# Altium PCB PCB_v1_premove.PcbDoc (part 4 of 4)
Units mil, origin at the board's own origin, x right, y up, seen from the top; angles counter-clockwise.
Board outline 27400 x 10355 mil, 4 copper layers (Component Side, Ground Plane, Power Plane, Solder Side), stack 33.234 mil thick; 525 components, 575 nets, 2564 pads, 188 vias.
Unrouted connection lines stored in the file: 1433.
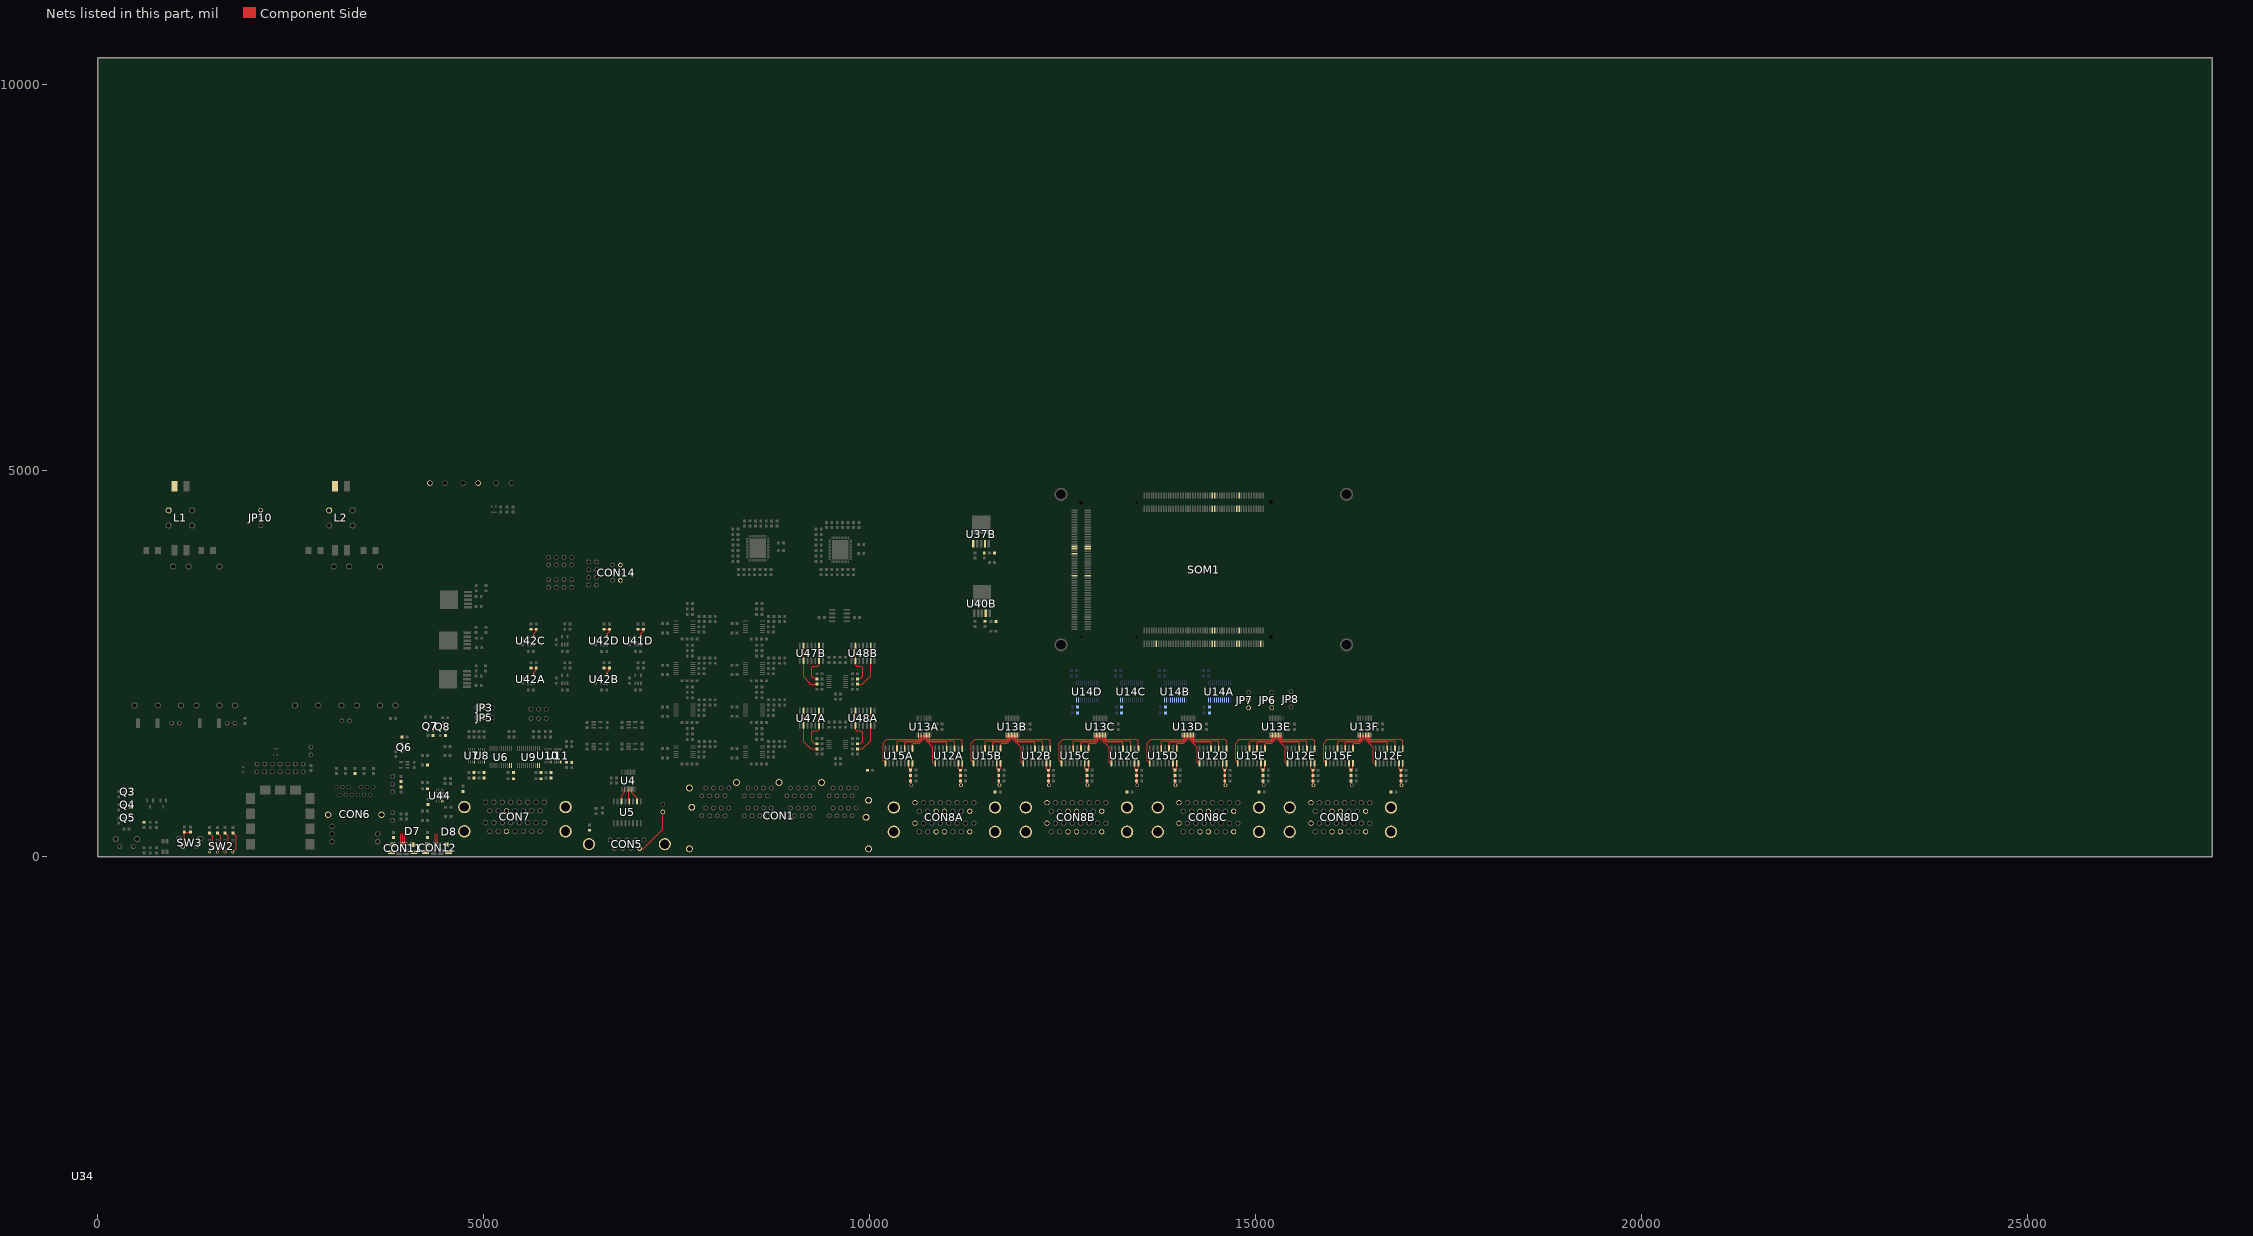
[diagram p6: the nets of this part, all layers, seen from the top]

## Via types
v1: diameter 50, hole 28, Component Side to Solder Side, 184 vias
v2: diameter 25.98, hole 12.99, Component Side to Solder Side, tented top, 4 vias

## Nets (pads, with @x,y where several pads share a name; then routed paths per layer and width w, separated by ;. In a path a pad name is that pad's centre, name@x,y a point inside that pad or via, vN(x,y) a via of type N, cw(c..) or ccw(c..) an arc to the next point about the centre after c; other vN are vias at no path point) (continued)
NetR38D_1: R38D.1 R39D.2 U41D.4 | length 178.5
  Component Side w10: R38D.1@7000,2946.54 R39D.2@7070,2946.54 7070,2920 7037.4,2887.4 U41D.4@7037.4,2851.57
NetR40A_1: R40A.1 R41A.2 U42A.4 | length 178.5
  Component Side w10: R41A.2@5610,2446.54 R40A.1@5680,2446.54 5680,2420 5647.4,2387.4 U42A.4@5647.4,2351.57
NetR40B_1: R40B.1 R41B.2 U42B.4 | length 178.5
  Component Side w10: R41B.2@6560,2446.54 R40B.1@6630,2446.54 6630,2420 6597.4,2387.4 U42B.4@6597.4,2351.57
NetR40C_1: R40C.1 R41C.2 U42C.4 | length 178.5
  Component Side w10: R41C.2@5610,2946.54 R40C.1@5680,2946.54 5680,2920 5647.4,2887.4 U42C.4@5647.4,2851.57
NetR40D_1: R40D.1 R41D.2 U42D.4 | length 178.5
  Component Side w10: R41D.2@6560,2946.54 R40D.1@6630,2946.54 6630,2920 6597.4,2887.4 U42D.4@6597.4,2851.57
NetR52_1: R52.1 U44.8
NetR54_2: R54.2 U44.19
NetR55_2: R55.2 U44.20
NetU12A_1: U12A.1 U13A.19 | length 583
  Component Side w10: U13A.19@10773.9,1575.75 10773.9,1533.08 10786.98,1520 11180,1520 11200,1500 U12A.1@11200,1399.49
NetU12A_3: U12A.3 U13A.18 | length 498
  Component Side w10: U13A.18@10754.21,1575.75 10754.21,1530.14 10780.35,1504 11085,1504 11100,1489 U12A.3@11100,1399.49
NetU12A_5: U12A.5 U13A.17 | length 410
  Component Side w10: U13A.17@10734.53,1575.75 10734.53,1527.19 10773.72,1488 10985,1488 11000,1473 U12A.5@11000,1399.49
NetU12A_9: U12A.9 U13A.16 | length 433.2
  Component Side w10: U13A.16@10714.84,1575.75 10714.84,1524.25 10820,1419.09 10820,1220 10829.49,1210.51 U12A.9@10850,1210.51
NetU12B_1: U12B.1 U13B.19 | length 583
  Component Side w10: U13B.19@11915.43,1575.75 11915.43,1533.08 11928.51,1520 12321.54,1520 12341.54,1500 U12B.1@12341.54,1399.49
NetU12B_3: U12B.3 U13B.18 | length 498
  Component Side w10: U13B.18@11895.75,1575.75 11895.75,1530.14 11921.88,1504 12226.54,1504 12241.54,1489 U12B.3@12241.54,1399.49
NetU12B_5: U12B.5 U13B.17 | length 410
  Component Side w10: U13B.17@11876.06,1575.75 11876.06,1527.19 11915.26,1488 12126.54,1488 12141.54,1473 U12B.5@12141.54,1399.49
NetU12B_9: U12B.9 U13B.16 | length 433.2
  Component Side w10: U13B.16@11856.38,1575.75 11856.38,1524.25 11961.54,1419.09 11961.54,1220 11971.02,1210.51 U12B.9@11991.54,1210.51
NetU12C_1: U12C.1 U13C.19 | length 583
  Component Side w10: U13C.19@13056.97,1575.75 13056.97,1533.08 13070.05,1520 13463.07,1520 13483.07,1500 U12C.1@13483.07,1399.49
NetU12C_3: U12C.3 U13C.18 | length 498
  Component Side w10: U13C.18@13037.28,1575.75 13037.28,1530.14 13063.42,1504 13368.07,1504 13383.07,1489 U12C.3@13383.07,1399.49
NetU12C_5: U12C.5 U13C.17 | length 410
  Component Side w10: U13C.17@13017.6,1575.75 13017.6,1527.19 13056.79,1488 13268.07,1488 13283.07,1473 U12C.5@13283.07,1399.49
NetU12C_9: U12C.9 U13C.16 | length 433.2
  Component Side w10: U13C.16@12997.91,1575.75 12997.91,1524.25 13103.07,1419.09 13103.07,1220 13112.56,1210.51 U12C.9@13133.07,1210.51
NetU12D_1: U12D.1 U13D.19 | length 583
  Component Side w10: U13D.19@14198.5,1575.75 14198.5,1533.08 14211.58,1520 14604.61,1520 14624.61,1500 U12D.1@14624.61,1399.49
NetU12D_3: U12D.3 U13D.18 | length 498
  Component Side w10: U13D.18@14178.82,1575.75 14178.82,1530.14 14204.96,1504 14509.61,1504 14524.61,1489 U12D.3@14524.61,1399.49
NetU12D_5: U12D.5 U13D.17 | length 410
  Component Side w10: U13D.17@14159.13,1575.75 14159.13,1527.19 14198.33,1488 14409.61,1488 14424.61,1473 U12D.5@14424.61,1399.49
NetU12D_9: U12D.9 U13D.16 | length 433.2
  Component Side w10: U13D.16@14139.45,1575.75 14139.45,1524.25 14244.61,1419.09 14244.61,1220 14254.09,1210.51 U12D.9@14274.61,1210.51
NetU12E_1: U12E.1 U13E.19 | length 583
  Component Side w10: U13E.19@15340.04,1575.75 15340.04,1533.08 15353.12,1520 15746.14,1520 15766.14,1500 U12E.1@15766.14,1399.49
NetU12E_3: U12E.3 U13E.18 | length 498
  Component Side w10: U13E.18@15320.35,1575.75 15320.35,1530.14 15346.49,1504 15651.14,1504 15666.14,1489 U12E.3@15666.14,1399.49
NetU12E_5: U12E.5 U13E.17 | length 410
  Component Side w10: U13E.17@15300.67,1575.75 15300.67,1527.19 15339.86,1488 15551.14,1488 15566.14,1473 U12E.5@15566.14,1399.49
NetU12E_9: U12E.9 U13E.16 | length 433.2
  Component Side w10: U13E.16@15280.98,1575.75 15280.98,1524.25 15386.14,1419.09 15386.14,1220 15395.63,1210.51 U12E.9@15416.14,1210.51
NetU12F_1: U12F.1 U13F.19 | length 583
  Component Side w10: U13F.19@16481.57,1575.75 16481.57,1533.08 16494.65,1520 16887.68,1520 16907.68,1500 U12F.1@16907.68,1399.49
NetU12F_3: U12F.3 U13F.18 | length 498
  Component Side w10: U13F.18@16461.89,1575.75 16461.89,1530.14 16488.03,1504 16792.68,1504 16807.68,1489 U12F.3@16807.68,1399.49
NetU12F_5: U12F.5 U13F.17 | length 410
  Component Side w10: U13F.17@16442.2,1575.75 16442.2,1527.19 16481.4,1488 16692.68,1488 16707.68,1473 U12F.5@16707.68,1399.49
NetU12F_9: U12F.9 U13F.16 | length 433.2
  Component Side w10: U13F.16@16422.52,1575.75 16422.52,1524.25 16527.68,1419.09 16527.68,1220 16537.17,1210.51 U12F.9@16557.68,1210.51
NetU13A_12: U13A.12 U15A.9 | length 801.4
  Component Side w10: U15A.9@10205,1212.05 10175,1242.05 10175,1470 10225,1520 10625,1520 10636.1,1531.1 U13A.12@10636.1,1575.75
NetU13A_13: U13A.13 U15A.5 | length 452.6
  Component Side w10: U15A.5@10355,1401.02 10355,1489 10370,1504 10631.63,1504 10655.79,1528.16 U13A.13@10655.79,1575.75
NetU13A_14: U13A.14 U15A.3 | length 364.6
  Component Side w10: U15A.3@10455,1401.02 10455,1473 10470,1488 10638.25,1488 10675.47,1525.22 U13A.14@10675.47,1575.75
NetU13A_15: U13A.15 U15A.1 | length 276.6
  Component Side w10: U15A.1@10555,1401.02 10555,1457 10570,1472 10644.88,1472 10695.16,1522.28 U13A.15@10695.16,1575.75
NetU13B_12: U13B.12 U15B.9 | length 801.4
  Component Side w10: U15B.9@11346.54,1212.05 11316.54,1242.05 11316.54,1470 11366.54,1520 11766.54,1520 11777.64,1531.1 U13B.12@11777.64,1575.75
NetU13B_13: U13B.13 U15B.5 | length 452.6
  Component Side w10: U15B.5@11496.54,1401.02 11496.54,1489 11511.54,1504 11773.16,1504 11797.32,1528.16 U13B.13@11797.32,1575.75
NetU13B_14: U13B.14 U15B.3 | length 364.6
  Component Side w10: U15B.3@11596.54,1401.02 11596.54,1473 11611.54,1488 11779.79,1488 11817.01,1525.22 U13B.14@11817.01,1575.75
NetU13B_15: U13B.15 U15B.1 | length 276.6
  Component Side w10: U15B.1@11696.54,1401.02 11696.54,1457 11711.54,1472 11786.42,1472 11836.69,1522.28 U13B.15@11836.69,1575.75
NetU13C_12: U13C.12 U15C.9 | length 801.4
  Component Side w10: U15C.9@12488.07,1212.05 12458.07,1242.05 12458.07,1470 12508.07,1520 12908.07,1520 12919.17,1531.1 U13C.12@12919.17,1575.75
NetU13C_13: U13C.13 U15C.5 | length 452.6
  Component Side w10: U15C.5@12638.07,1401.02 12638.07,1489 12653.07,1504 12914.7,1504 12938.86,1528.16 U13C.13@12938.86,1575.75
NetU13C_14: U13C.14 U15C.3 | length 364.6
  Component Side w10: U15C.3@12738.07,1401.02 12738.07,1473 12753.07,1488 12921.33,1488 12958.54,1525.22 U13C.14@12958.54,1575.75
NetU13C_15: U13C.15 U15C.1 | length 276.6
  Component Side w10: U15C.1@12838.07,1401.02 12838.07,1457 12853.07,1472 12927.95,1472 12978.23,1522.28 U13C.15@12978.23,1575.75
NetU13D_12: U13D.12 U15D.9 | length 801.4
  Component Side w10: U15D.9@13629.61,1212.05 13599.61,1242.05 13599.61,1470 13649.61,1520 14049.61,1520 14060.71,1531.1 U13D.12@14060.71,1575.75
NetU13D_13: U13D.13 U15D.5 | length 452.6
  Component Side w10: U15D.5@13779.61,1401.02 13779.61,1489 13794.61,1504 14056.23,1504 14080.39,1528.16 U13D.13@14080.39,1575.75
NetU13D_14: U13D.14 U15D.3 | length 364.6
  Component Side w10: U15D.3@13879.61,1401.02 13879.61,1473 13894.61,1488 14062.86,1488 14100.08,1525.22 U13D.14@14100.08,1575.75
NetU13D_15: U13D.15 U15D.1 | length 276.6
  Component Side w10: U15D.1@13979.61,1401.02 13979.61,1457 13994.61,1472 14069.49,1472 14119.76,1522.28 U13D.15@14119.76,1575.75
NetU13E_12: U13E.12 U15E.9 | length 801.4
  Component Side w10: U15E.9@14771.14,1212.05 14741.14,1242.05 14741.14,1470 14791.14,1520 15191.14,1520 15202.24,1531.1 U13E.12@15202.24,1575.75
NetU13E_13: U13E.13 U15E.5 | length 452.6
  Component Side w10: U15E.5@14921.14,1401.02 14921.14,1489 14936.14,1504 15197.77,1504 15221.93,1528.16 U13E.13@15221.93,1575.75
NetU13E_14: U13E.14 U15E.3 | length 364.6
  Component Side w10: U15E.3@15021.14,1401.02 15021.14,1473 15036.14,1488 15204.4,1488 15241.61,1525.22 U13E.14@15241.61,1575.75
NetU13E_15: U13E.15 U15E.1 | length 276.6
  Component Side w10: U15E.1@15121.14,1401.02 15121.14,1457 15136.14,1472 15211.02,1472 15261.3,1522.28 U13E.15@15261.3,1575.75
NetU13F_12: U13F.12 U15F.9 | length 801.4
  Component Side w10: U15F.9@15912.68,1212.05 15882.68,1242.05 15882.68,1470 15932.68,1520 16332.68,1520 16343.78,1531.1 U13F.12@16343.78,1575.75
NetU13F_13: U13F.13 U15F.5 | length 452.6
  Component Side w10: U15F.5@16062.68,1401.02 16062.68,1489 16077.68,1504 16339.3,1504 16363.46,1528.16 U13F.13@16363.46,1575.75
NetU13F_14: U13F.14 U15F.3 | length 364.6
  Component Side w10: U15F.3@16162.68,1401.02 16162.68,1473 16177.68,1488 16345.93,1488 16383.15,1525.22 U13F.14@16383.15,1575.75
NetU13F_15: U13F.15 U15F.1 | length 276.6
  Component Side w10: U15F.1@16262.68,1401.02 16262.68,1457 16277.68,1472 16352.56,1472 16402.83,1522.28 U13F.15@16402.83,1575.75
OUTA: U4.3 U5.14 | length 173.8
  Component Side w10: U5.14@6785,716.73 6785,790 6820.79,825.79 U4.3@6820.79,875.75
OUTB: U4.6 U5.12 | length 161.2
  Component Side w10: U4.6@6879.84,875.75 6879.84,766.26 6885,761.1 U5.12@6885,716.73
OUTZ: U4.8 U5.10 | length 186.3
  Component Side w10: U4.8@6919.21,875.75 6919.21,826.89 6985,761.1 U5.10@6985,716.73
R\S\T\1: CON8A.8A U14A.21
R\S\T\2: CON8A.8B U14A.20
R\S\T\3: CON8B.8A U14A.19
R\S\T\4: CON8B.8B U14A.18
R\S\T\5: CON8C.8A U14A.17
R\S\T\6: CON8C.8B U14A.16
R\S\T\7: CON8D.8A U14A.15
R\S\T\8: CON8D.8B U14A.14
RDY1: CON8A.9A U14B.21
RDY2: CON8A.9B U14B.20
RDY3: CON8B.9A U14B.19
RDY4: CON8B.9B U14B.18
RDY5: CON8C.9A U14B.17
RDY6: CON8C.9B U14B.16
RDY7: CON8D.9A U14B.15
RDY8: CON8D.9B U14B.14
SH_AGND: CON1.SH1 CON1.SH2 CON1.SH3 CON1.SH4 CON1.SH5 CON1.SH6 CON1.SH7 CON1.SH8 CON1.SH9 R1.2
SH_ENC: CON5.SH1 CON5.SH2 R23.1
SH_ETH: CON6.18 CON6.19 R24.2
SH_GND_INV: CON8A.SH1 CON8A.SH2 CON8A.SH3 CON8A.SH4 CON8B.SH1 CON8B.SH2 CON8B.SH3 CON8B.SH4 CON8C.SH1 CON8C.SH2 CON8C.SH3 CON8C.SH4 CON8D.SH1 CON8D.SH2 CON8D.SH3 CON8D.SH4 R26A.2 R26B.2 R26C.2 R26D.2
SH_GPIO: CON7.SH1 CON7.SH2 CON7.SH3 CON7.SH4 R25.1
SH_USBOTG: CON11.SH1 CON11.SH2 CON11.SH3 CON11.SH4 R46.1
SH_USBUART: CON12.SH1 CON12.SH2 CON12.SH3 CON12.SH4 R53.1
USB_OTG_CPEN: Q6.2 R44.1 SOM1.JX3-70
USB_OTG_ID: CON11.4 D7.1 SOM1.JX3-63 | length 136.6
  Component Side w10: 3975,300 3977.28,297.72 CON11.4@3977.28,164.37
USB_OTG_N: CON11.2 D7.3 SOM1.JX3-69 | length 135.8
  Component Side w15: CON11.2@3926.1,164.37 3926.1,198.44 3926.4,198.74 3926.4,300
USB_OTG_P: CON11.3 D7.5 SOM1.JX3-67 | length 135.8
  Component Side w15: 3951.4,300 3951.4,198.74 3951.69,198.44 CON11.3@3951.69,164.37
USB_UART_D_N: CON12.2 D8.5 U44.5 | length 134.8
  Component Side w15: CON12.2@4369.13,165.31 4369.13,199.39 4369.43,199.69 4369.43,300
USB_UART_D_P: CON12.3 D8.3 U44.4 | length 134.8
  Component Side w15: 4394.43,300 4394.43,199.69 4394.72,199.39 CON12.3@4394.72,165.31
USB_UART_RXD: Q7.2 R47.1
USB_UART_TXD: Q8.2 R50.1
USB_VBUS_OTG: R42.1 R43.1 SOM1.JX3-68
USER_BTN1: C52.2 R18.2 SW3.1 | length 273.6
  Component Side w10: SW3.1@1101.5,132.6 1118.66,149.76 R18.2@1118.66,319.13 C52.2@1198.66,319.13
USER_LED_B: Q5.1
USER_LED_G: Q4.1
USER_LED_R: Q3.1
USER_SW1: R22.2 SW2.1 | length 280.8
  Component Side w10: SW2.1@1448.66,62.6 1490,103.94 1490,267.8 R22.2@1448.66,309.13
USER_SW2: R21.2 SW2.3 | length 280.8
  Component Side w10: SW2.3@1548.66,62.6 1590,103.94 1590,267.8 R21.2@1548.66,309.13
USER_SW3: R20.2 SW2.5 | length 280.8
  Component Side w10: SW2.5@1648.66,62.6 1690,103.94 1690,267.8 R20.2@1648.66,309.13
USER_SW4: R19.2 SW2.7 | length 280.8
  Component Side w10: SW2.7@1748.66,62.6 1790,103.94 1790,267.8 R19.2@1748.66,309.13
V_AA: R57A.1 U47A.2 U47A.13 | length 542.8
  Component Side w10: R57A.1@9316.54,1463.33 9286.67,1463.33 9250,1500 9250,1610 9270,1630 9325,1630 9345,1650 U47A.13@9345,1700.51 U47A.2@9345,1889.49
V_AB: R57B.1 U47B.2 U47B.13 | length 542.8
  Component Side w10: R57B.1@9316.54,2303.33 9286.67,2303.33 9250,2340 9250,2450 9270,2470 9325,2470 9345,2490 U47B.13@9345,2540.51 U47B.2@9345,2729.49
V_BA: R58A.1 U47A.6 U47A.9 | length 609.7
  Component Side w10: U47A.6@9145,1889.49 U47A.9@9145,1700.51 9145,1490 9238.33,1396.67 R58A.1@9316.54,1396.67
V_BB: R58B.1 U47B.6 U47B.9 | length 609.7
  Component Side w10: U47B.6@9145,2729.49 U47B.9@9145,2540.51 9145,2330 9238.33,2236.67 R58B.1@9316.54,2236.67
V_CA: R59A.1 U48A.2 U48A.13 | length 600.9
  Component Side w10: R59A.1@9843.46,1396.67 9906.67,1396.67 10015,1505 U48A.13@10015,1700.51 U48A.2@10015,1889.49
V_CB: R59B.1 U48B.2 U48B.13 | length 600.9
  Component Side w10: R59B.1@9843.46,2236.67 9906.67,2236.67 10015,2345 U48B.13@10015,2540.51 U48B.2@10015,2729.49
V_DA: R60A.1 U48A.6 U48A.9 | length 542.8
  Component Side w10: U48A.6@9815,1889.49 U48A.9@9815,1700.51 9815,1650 9835,1630 9885,1630 9910,1605 9910,1495 9878.33,1463.33 R60A.1@9843.46,1463.33
V_DB: R60B.1 U48B.6 U48B.9 | length 542.8
  Component Side w10: U48B.6@9815,2729.49 U48B.9@9815,2540.51 9815,2490 9835,2470 9885,2470 9910,2445 9910,2335 9878.33,2303.33 R60B.1@9843.46,2303.33
VCCIO_EN: U34.4 U37B.1
VCCO: C158B.1 CON14.6 R32B.1 SOM1.JX1-78 SOM1.JX1-79 SOM1.JX1-80 SOM1.JX2-78 SOM1.JX2-79 SOM1.JX2-80 SOM1.JX2-98 SOM1.JX3-45 SOM1.JX3-46 U37B.4
VDRIVE: C95A.1 C95B.1 C95C.1 C95D.1 C95E.1 C95F.1 C96A.1 C96B.1 C96C.1 C96D.1 C96E.1 C96F.1 C97A.1 C97B.1 C97C.1 C97D.1 C97E.1 C97F.1 C98A.1 C98B.1 C98C.1 C98D.1 C98E.1 C98F.1 C99A.1 C99B.1 C99C.1 C99D.1 C99E.1 C99F.1 C100A.1 C100B.1 C100C.1 C100D.1 C100E.1 C100F.1 CON3.1 JP6.1 JP7.1 U12A.15 U12A.16 U12B.15 U12B.16 U12C.15 U12C.16 U12D.15 U12D.16 U12E.15 U12E.16 U12F.15 U12F.16 U15A.15 U15A.16 U15B.15 U15B.16 U15C.15 U15C.16 U15D.15 U15D.16 U15E.15 U15E.16 U15F.15 U15F.16 | length 4815.2
  Component Side w10: U15A.15@10505,1212.05 10505,1147.56 C96A.1@10531.54,1121.02 ; v1(10540,925) 10531.54,933.46 C100A.1@10531.54,981.02 C98A.1@10531.54,1051.02 C96A.1@10531.54,1121.02 ; U15A.16@10555,1212.05 10555,1144.49 C96A.1@10531.54,1121.02 ; U12A.15@11150,1210.51 11150,1146.54 C95A.1@11176.54,1120 ; v1(11185,925) 11176.54,933.46 C99A.1@11176.54,980 C97A.1@11176.54,1050 C95A.1@11176.54,1120 ; U12A.16@11200,1210.51 11200,1143.46 C95A.1@11176.54,1120 ; U15B.15@11646.54,1212.05 11646.54,1147.56 C96B.1@11673.07,1121.02 ; v1(11681.54,925) 11673.07,933.46 C100B.1@11673.07,981.02 C98B.1@11673.07,1051.02 C96B.1@11673.07,1121.02 ; U15B.16@11696.54,1212.05 11696.54,1144.49 C96B.1@11673.07,1121.02 ; U12B.15@12291.54,1210.51 12291.54,1146.54 C95B.1@12318.07,1120 ; v1(12326.54,925) 12318.07,933.46 C99B.1@12318.07,980 C97B.1@12318.07,1050 C95B.1@12318.07,1120 ; U12B.16@12341.54,1210.51 12341.54,1143.46 C95B.1@12318.07,1120 ; U15C.15@12788.07,1212.05 12788.07,1147.56 C96C.1@12814.61,1121.02 ; v1(12823.07,925) 12814.61,933.46 C100C.1@12814.61,981.02 C98C.1@12814.61,1051.02 C96C.1@12814.61,1121.02 ; U15C.16@12838.07,1212.05 12838.07,1144.49 C96C.1@12814.61,1121.02 ; U12C.15@13433.07,1210.51 13433.07,1146.54 C95C.1@13459.61,1120 ; v1(13468.07,925) 13459.61,933.46 C99C.1@13459.61,980 C97C.1@13459.61,1050 C95C.1@13459.61,1120 ; U12C.16@13483.07,1210.51 13483.07,1143.46 C95C.1@13459.61,1120 ; U15D.15@13929.61,1212.05 13929.61,1147.56 C96D.1@13956.14,1121.02 ; v1(13964.61,925) 13956.14,933.46 C100D.1@13956.14,981.02 C98D.1@13956.14,1051.02 C96D.1@13956.14,1121.02 ; U15D.16@13979.61,1212.05 13979.61,1144.49 C96D.1@13956.14,1121.02 ; U12D.15@14574.61,1210.51 14574.61,1146.54 C95D.1@14601.14,1120 ; v1(14609.61,925) 14601.14,933.46 C99D.1@14601.14,980 C97D.1@14601.14,1050 C95D.1@14601.14,1120 ; U12D.16@14624.61,1210.51 14624.61,1143.46 C95D.1@14601.14,1120 ; U15E.15@15071.14,1212.05 15071.14,1147.56 C96E.1@15097.68,1121.02 ; v1(15106.14,925) 15097.68,933.46 C100E.1@15097.68,981.02 C98E.1@15097.68,1051.02 C96E.1@15097.68,1121.02 ; U15E.16@15121.14,1212.05 15121.14,1144.49 C96E.1@15097.68,1121.02 ; U12E.15@15716.14,1210.51 15716.14,1146.54 C95E.1@15742.68,1120 ; v1(15751.14,925) 15742.68,933.46 C99E.1@15742.68,980 C97E.1@15742.68,1050 C95E.1@15742.68,1120 ; U12E.16@15766.14,1210.51 15766.14,1143.46 C95E.1@15742.68,1120 ; U15F.15@16212.68,1212.05 16212.68,1147.56 C96F.1@16239.21,1121.02 ; v1(16247.68,925) 16239.21,933.46 C100F.1@16239.21,981.02 C98F.1@16239.21,1051.02 C96F.1@16239.21,1121.02 ; U15F.16@16262.68,1212.05 16262.68,1144.49 C96F.1@16239.21,1121.02 ; U12F.15@16857.68,1210.51 16857.68,1146.54 C95F.1@16884.21,1120 ; v1(16892.68,925) 16884.21,933.46 C99F.1@16884.21,980 C97F.1@16884.21,1050 C95F.1@16884.21,1120 ; U12F.16@16907.68,1210.51 16907.68,1143.46 C95F.1@16884.21,1120
VENCODER: CON5.6 JP1.2 | length 628
  Component Side w10: CON5.6@7018.58,105.83 7068.08,105.83 7320,357.75 JP1.2@7320,580
VGPIOA: C61.1 C63.1 C65.1 C67.1 C69.1 C71.1 CON7.13A JP3.2 U6.23 U6.24 U7.8 U8.8
VGPIOB: C73.1 C75.1 C77.1 C79.1 C81.1 C83.1 CON7.13B JP5.2 U9.23 U9.24 U10.8 U11.8
VIN: C151.2 C155.2 CON4.1 JP10.1 L1.4 L2.4
VIN_HDR: C164B.1 CON14.2 R12.2 R36B.1 SOM1.JX1-57 SOM1.JX1-58 SOM1.JX1-59 SOM1.JX1-60 SOM1.JX2-12 SOM1.JX2-57 SOM1.JX2-58 SOM1.JX2-59 SOM1.JX2-60 U40B.4
VSIGNAL: C86A.1 C86B.1 C86C.1 C86D.1 C88A.1 C88B.1 C88C.1 C88D.1 JP8.2 U14A.23 U14A.24 U14B.23 U14B.24 U14C.23 U14C.24 U14D.23 U14D.24
VSUPPLYA: CON8A.12A CON8A.12B CON8A.13A CON8A.13B CON8B.12A CON8B.12B CON8B.13A CON8B.13B JP6.2
VSUPPLYB: CON8C.12A CON8C.12B CON8C.13A CON8C.13B CON8D.12A CON8D.12B CON8D.13A CON8D.13B JP7.2
pads on no net: CON1. CON6. CON6.15 CON9.5 CON9.6 CON9.7 CON10.12 CON11.SH CON12.4 CON12.SH D1.1 D1.3 D1.5 D8.4 SOM1.0 SOM1.JX1-5 SOM1.JX1-7 SOM1.JX1-9 SOM1.JX1-10 SOM1.JX1-11 SOM1.JX1-12 SOM1.JX1-13 SOM1.JX1-14 SOM1.JX1-17 SOM1.JX1-18 SOM1.JX1-19 SOM1.JX1-20 SOM1.JX1-23 SOM1.JX1-24 SOM1.JX1-25 SOM1.JX1-26 SOM1.JX1-29 SOM1.JX1-30 SOM1.JX1-31 SOM1.JX1-32 SOM1.JX1-35 SOM1.JX1-36 SOM1.JX1-37 SOM1.JX1-38 SOM1.JX1-41 SOM1.JX1-42 SOM1.JX1-43 SOM1.JX1-44 SOM1.JX1-47 SOM1.JX1-48 SOM1.JX1-49 SOM1.JX1-50 SOM1.JX1-53 SOM1.JX1-54 SOM1.JX1-55 SOM1.JX1-56 SOM1.JX1-61 SOM1.JX1-62 SOM1.JX1-63 SOM1.JX1-64 SOM1.JX1-67 SOM1.JX1-68 SOM1.JX1-69 SOM1.JX1-70 SOM1.JX1-73 SOM1.JX1-74 SOM1.JX1-75 SOM1.JX1-76 SOM1.JX1-81 SOM1.JX1-82 SOM1.JX1-83 SOM1.JX1-84 SOM1.JX1-87 SOM1.JX1-88 SOM1.JX1-89 SOM1.JX1-90 SOM1.JX1-91 SOM1.JX1-92 SOM1.JX1-93 SOM1.JX1-94 SOM1.JX2-1 SOM1.JX2-2 SOM1.JX2-3 SOM1.JX2-4 SOM1.JX2-5 SOM1.JX2-6 SOM1.JX2-7 SOM1.JX2-8 SOM1.JX2-9 SOM1.JX2-13 SOM1.JX2-14 SOM1.JX2-17 SOM1.JX2-18 SOM1.JX2-19 SOM1.JX2-20 SOM1.JX2-23 SOM1.JX2-24 SOM1.JX2-25 SOM1.JX2-26 SOM1.JX2-29 SOM1.JX2-30 SOM1.JX2-31 SOM1.JX2-32 SOM1.JX2-35 SOM1.JX2-36 SOM1.JX2-37 SOM1.JX2-38 SOM1.JX2-41 SOM1.JX2-42 SOM1.JX2-43 SOM1.JX2-44 SOM1.JX2-47 SOM1.JX2-48 SOM1.JX2-49 SOM1.JX2-50 SOM1.JX2-53 SOM1.JX2-54 SOM1.JX2-55 SOM1.JX2-56 SOM1.JX2-61 SOM1.JX2-62 SOM1.JX2-63 SOM1.JX2-64 SOM1.JX2-67 SOM1.JX2-68 SOM1.JX2-69 SOM1.JX2-70 SOM1.JX2-73 SOM1.JX2-74 SOM1.JX2-75 SOM1.JX2-76 SOM1.JX2-81 SOM1.JX2-82 SOM1.JX2-83 SOM1.JX2-84 SOM1.JX2-87 SOM1.JX2-88 SOM1.JX2-89 SOM1.JX2-90 SOM1.JX2-93 SOM1.JX2-94 SOM1.JX2-95 SOM1.JX2-96 SOM1.JX2-97 SOM1.JX2-99 SOM1.JX2-100 SOM1.JX3-1 SOM1.JX3-2 SOM1.JX3-3 SOM1.JX3-4 SOM1.JX3-5 SOM1.JX3-7 SOM1.JX3-8 SOM1.JX3-9 SOM1.JX3-10 SOM1.JX3-11 SOM1.JX3-13 SOM1.JX3-14 SOM1.JX3-15 SOM1.JX3-16 SOM1.JX3-19 SOM1.JX3-20 SOM1.JX3-21 SOM1.JX3-22 SOM1.JX3-25 SOM1.JX3-26 SOM1.JX3-27 SOM1.JX3-28 SOM1.JX3-30 SOM1.JX3-31 SOM1.JX3-32 SOM1.JX3-33 SOM1.JX3-34 SOM1.JX3-36 SOM1.JX3-37 SOM1.JX3-38 SOM1.JX3-39 SOM1.JX3-40 SOM1.JX3-41 SOM1.JX3-42 SOM1.JX3-43 SOM1.JX3-44 SOM1.JX3-62 SOM1.JX3-64 SOM1.JX3-66 SOM1.JX3-73 SOM1.JX3-74 SOM1.JX3-75 SOM1.JX3-76 SOM1.JX3-79 SOM1.JX3-80 SOM1.JX3-81 SOM1.JX3-82 SOM1.JX3-85 SOM1.JX3-86 SOM1.JX3-87 SOM1.JX3-88 SOM1.JX3-91 SOM1.JX3-92 SOM1.JX3-93 SOM1.JX3-94 SOM1.JX3-97 SOM1.JX3-98 SOM1.JX3-99 SOM1.JX3-100 U1.42 U2.42 U4.5 U4.16 U5.8 U35.4 U36.4 U38A.4 U38B.4 U38C.4 U38D.4 U43.3 U44.1 U44.2 U44.10 U44.11 U44.13 U44.15 U44.16 U45.1 U45.5 U45.7 U45.8 U47A.1 U47A.7 U47B.1 U47B.7 U48A.1 U48A.7 U48B.1 U48B.7

## Polygon pours and split planes (outlines as drawn)
SH_ENC on Component Side "SH_ENC_POUR" (solid, pour order 6): 6210,0 6210,370 7520,370 7520,0
SH_GND_INV on Component Side "SH_GND_INV_POUR" (solid, pour order 21): 15300,0 15300,880 16790,880 16790,790 17000,790 17000,0
SH_GND_INV on Component Side "SH_GND_INV_POUR" (solid, pour order 19): 13590,0 13590,880 15080,880 15080,790 15290,790 15290,0
SH_GND_INV on Component Side "SH_GND_INV_POUR" (solid, pour order 17): 11880,0 11880,880 13370,880 13370,790 13580,790 13580,0
SH_GND_INV on Component Side "SH_GND_INV_POUR" (solid, pour order 15): 10170,0 10170,880 11660,880 11660,790 11870,790 11870,0
SH_AGND on Component Side "SH_AGND_POUR" (solid, pour order 13): 7525,0 7525,1160 10005,1160 10005,1070 10150,1070 10150,0
SH_USBUART on Component Side "SH_USBOTG_POUR" (solid, pour order 11): 4180,-5 4180,275 4605,275 4605,-5
SH_USBOTG on Component Side "SH_USBOTG_POUR" (solid, pour order 9): 3735,0 3735,280 4175,280 4175,0
SH_ETH on Component Side "SH_ETH_POUR" (solid, pour order 8): 2920,0 2920,1110 3730,1110 3730,0
VIN on Component Side "VIN_POUR" (solid, pour order 4): 6215,21.73
VIN on Component Side "VIN_L01_P002" (solid, pour order 2): 830,4940 830,4430 4400,4430 4400,4940
no net on Component Side "Component Side-No Net" (solid, pour order 0): 0,5000
GND on Ground Plane (split plane): 27379.9,20.1 20.1,20.1 20.1,10334.9 27379.9,10334.9
5V on Power Plane (split plane): 27379.9,20.1 20.1,20.1 20.1,10334.9 27379.9,10334.9

## Silkscreen, mask and mechanical layers (free items; w line width, h text height)
Top Overlay:
  lines w10: 0,0 16990,0 17000,0 17000,5000 0,5000 0,0

## Text inside footprints (layer, text, board x,y; h text height)
SOM1: Top Overlay "TM" at 14289.5,4146 h15 r90; Top Overlay "JX1" at 13397,4522 h60 r90; Top Overlay "JX2" at 13393,2765 h60 r90; Top Overlay "50" at 14288.58,2656.49 h30; Top Overlay "76" at 14698.58,2656.49 h30; Top Overlay "75" at 14698.58,3001.49 h30; Top Overlay "51" at 14323.58,3006.49 h30; Top Overlay "26" at 13908.58,2666.49 h30; Top Overlay "25" at 13908.58,3006.49 h30; Top Overlay "1" at 13528,2978.51 h40; Top Overlay "2" at 13509,2675.51 h40; Top Overlay "99" at 15128.58,2981.49 h40; Top Overlay "100" at 15128.58,2666.49 h40; Top Overlay "100" at 15128.58,4416.49 h40; Top Overlay "99" at 15128.58,4731.49 h40; Top Overlay "2" at 13509,4425.51 h40; Top Overlay "1" at 13528,4728.51 h40; Top Overlay "25" at 13908.58,4756.49 h30; Top Overlay "26" at 13908.58,4416.49 h30; Top Overlay "51" at 14323.58,4756.49 h30; Top Overlay "75" at 14698.58,4751.49 h30; Top Overlay "76" at 14698.58,4406.49 h30; Top Overlay "50" at 14288.58,4406.49 h30; Top Overlay "50" at 12929.01,3678.58 h30 r90; Top Overlay "76" at 12929.01,4088.58 h30 r90; Top Overlay "75" at 12584.01,4088.58 h30 r90; Top Overlay "51" at 12579.01,3706.58 h30 r90; Top Overlay "26" at 12919.01,3298.58 h30 r90; Top Overlay "25" at 12579.01,3291.58 h30 r90; Top Overlay "1" at 12606.99,2918 h40 r90; Top Overlay "2" at 12909.99,2899 h40 r90; Top Overlay "99" at 12593.5,4483 h40 r90; Top Overlay "100" at 12928.5,4480 h40 r90; Top Overlay "JX3" at 12813.5,2787 h60 r180
U1: Top Overlay "*" at 8373,4134.33 h50; Mechanical 13 "*" at 8430,4134.33 h50
U2: Top Overlay "*" at 9443,4114.33 h50; Mechanical 13 "*" at 9500,4114.33 h50